# Altium PCB Carte_Alim-4L - CopieBK2023-02-12.PcbDoc (part 1 of 3)
Units mm, origin at the board's own origin, x right, y up, seen from the top; angles counter-clockwise.
Board outline 100 x 100 mm, 4 copper layers (Top Copper, Ground Plane, Power Plane, Bottom Copper), stack 1.57 mm thick; 239 components, 108 nets, 703 pads, 328 vias.
Unrouted connection lines stored in the file: 5.
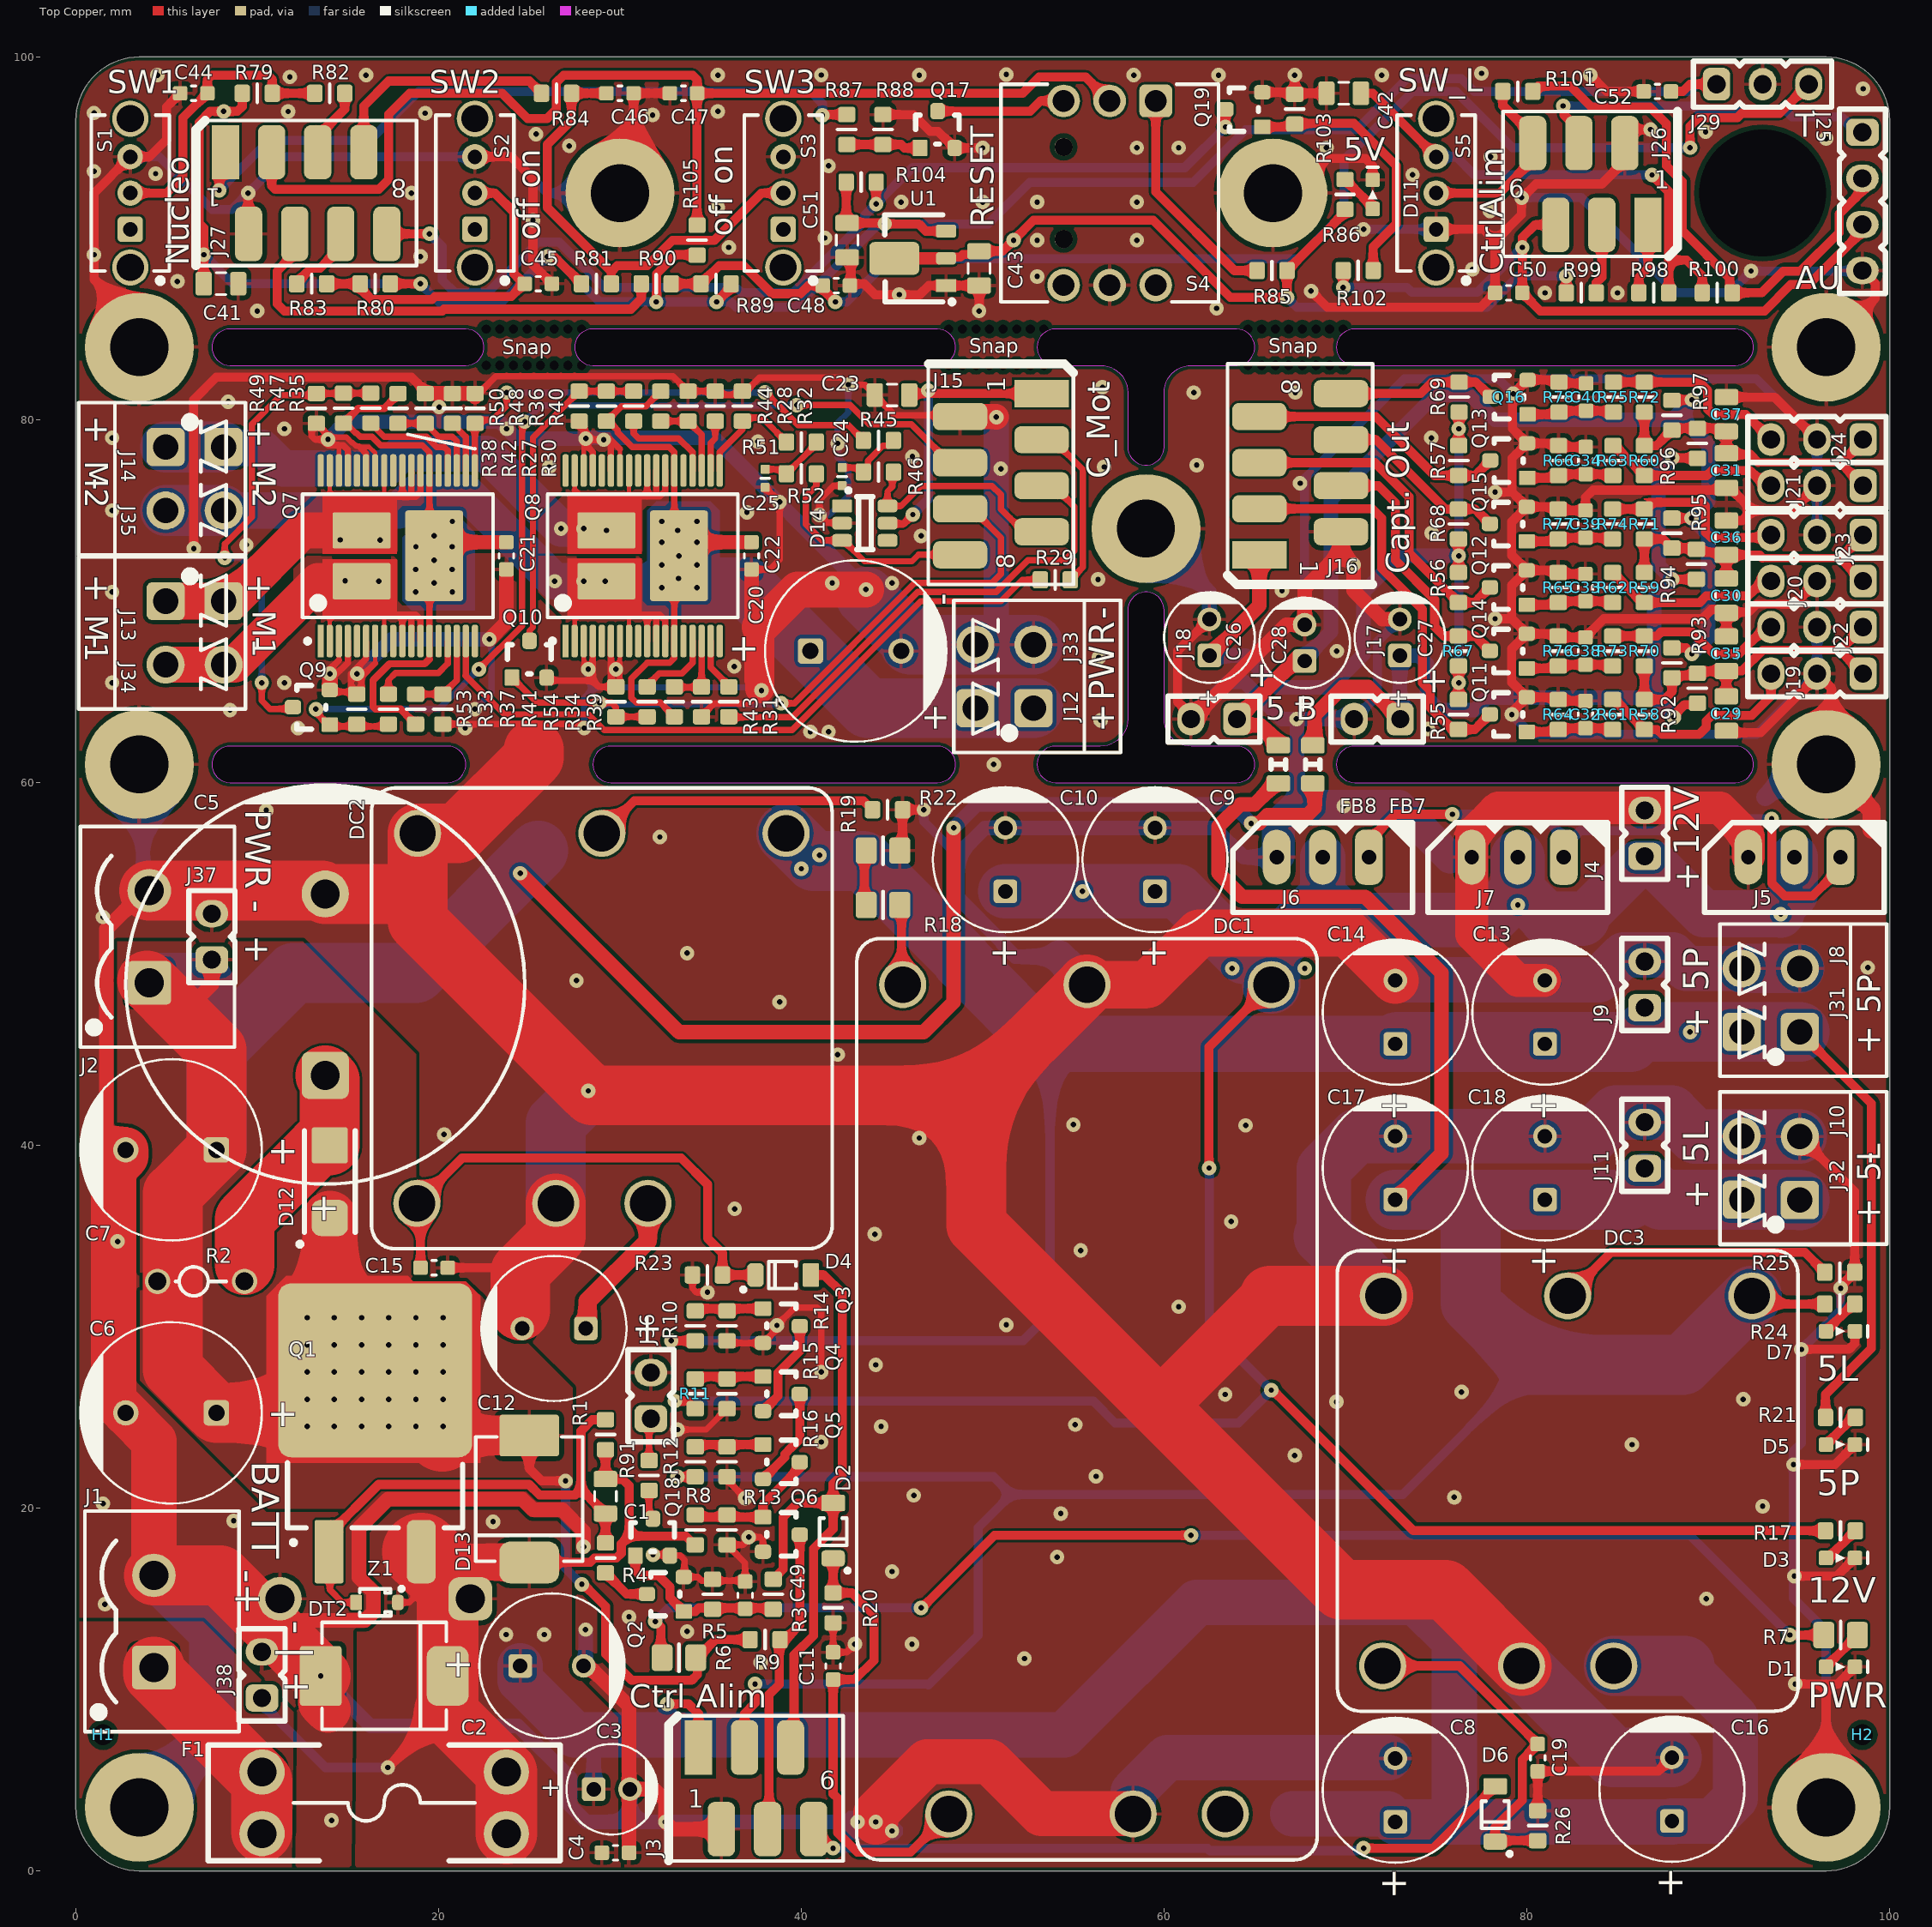
[diagram p0: Top Copper view]
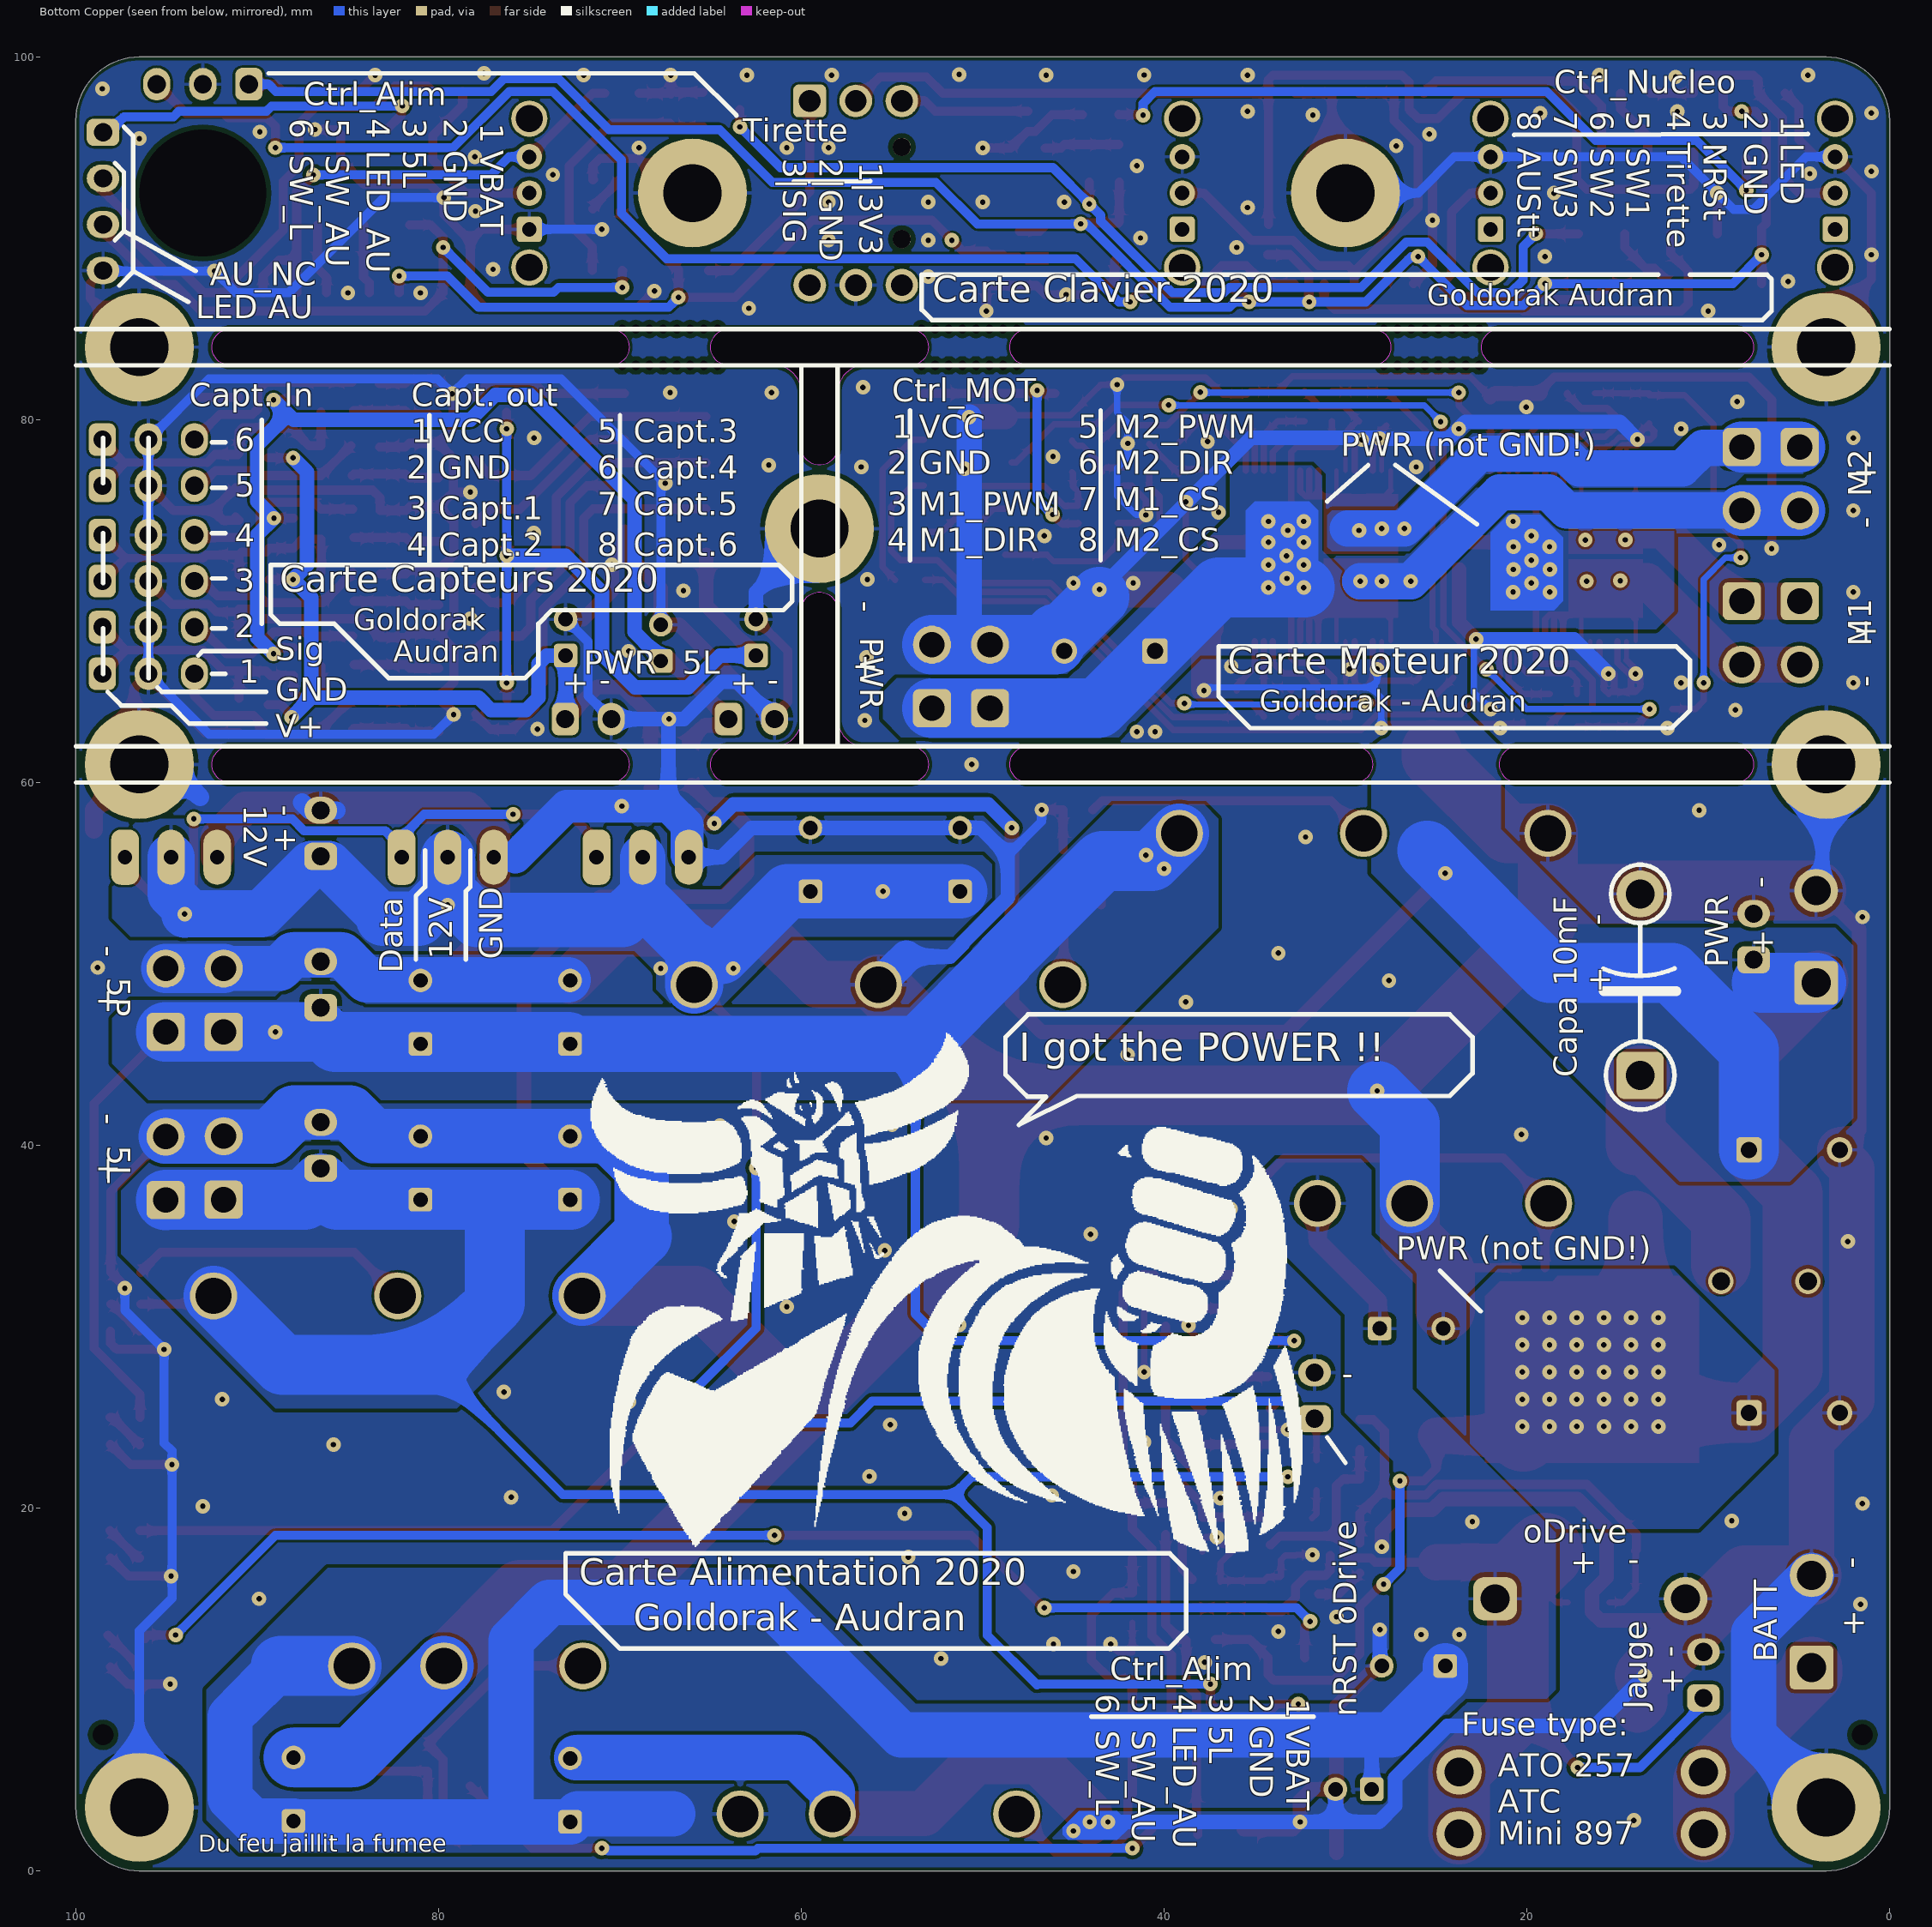
[diagram p1: Bottom Copper view, seen from below]
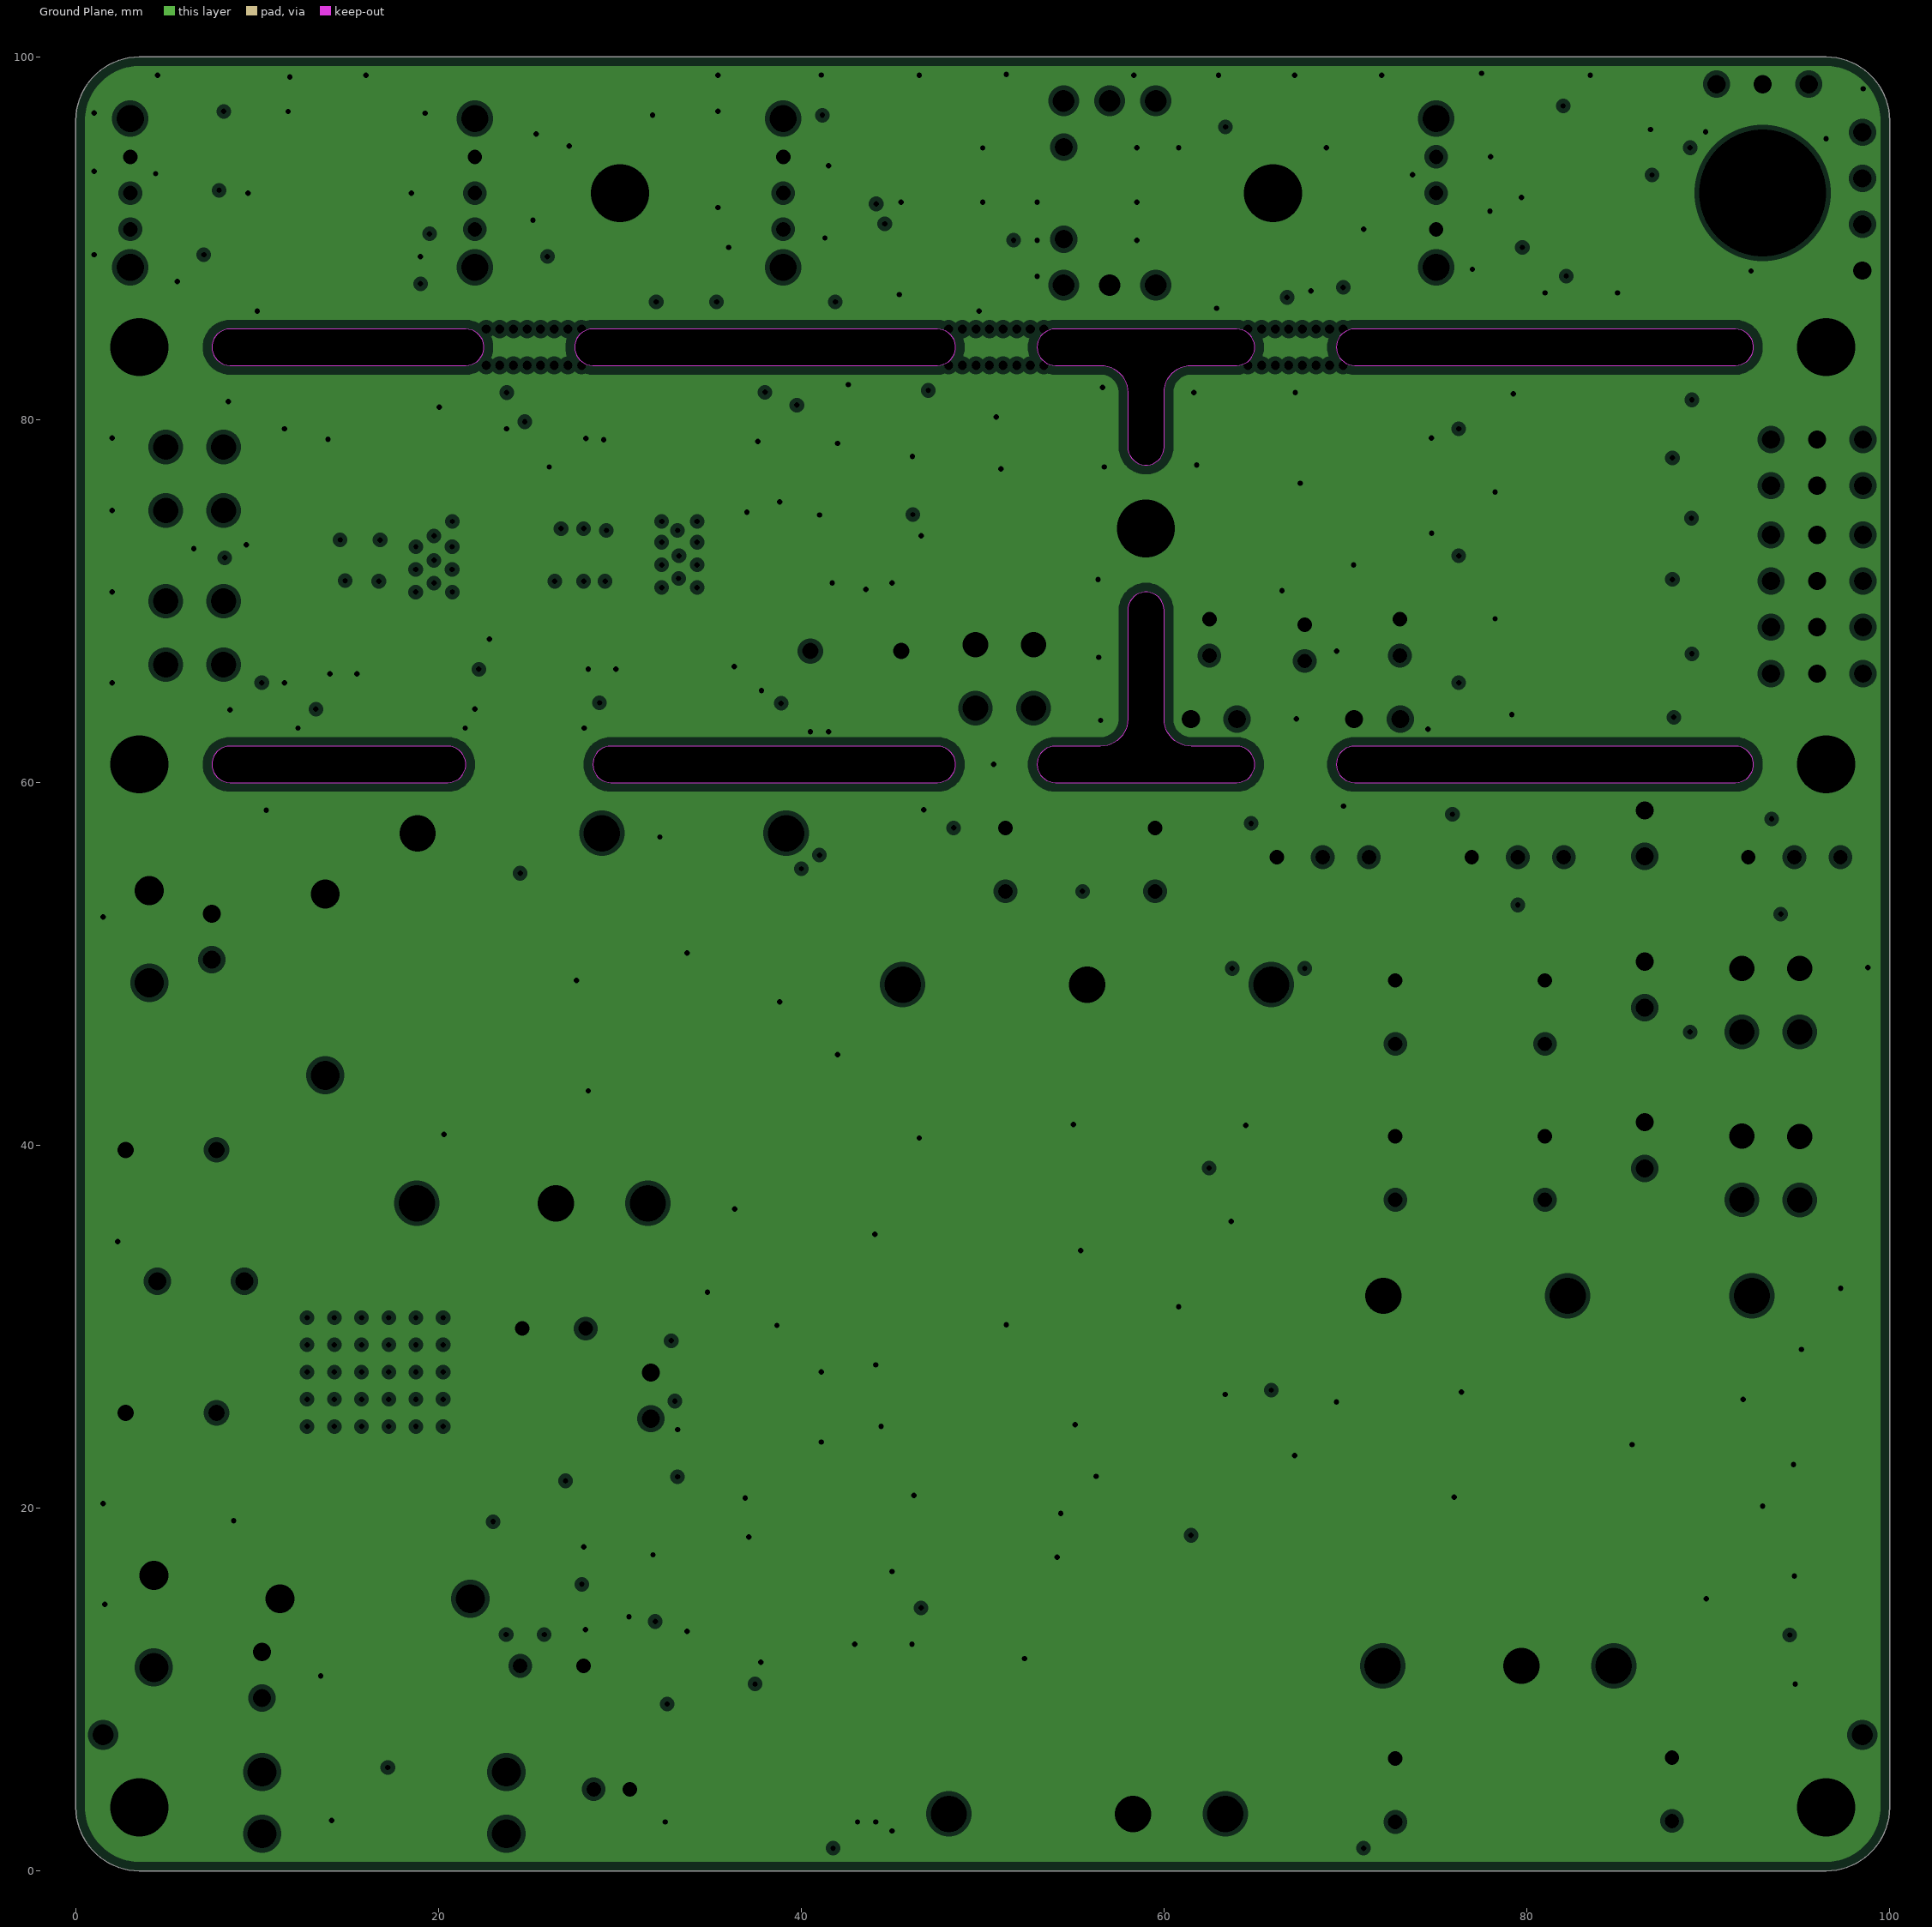
[diagram p2: Ground Plane, clearances drawn from the general rule]
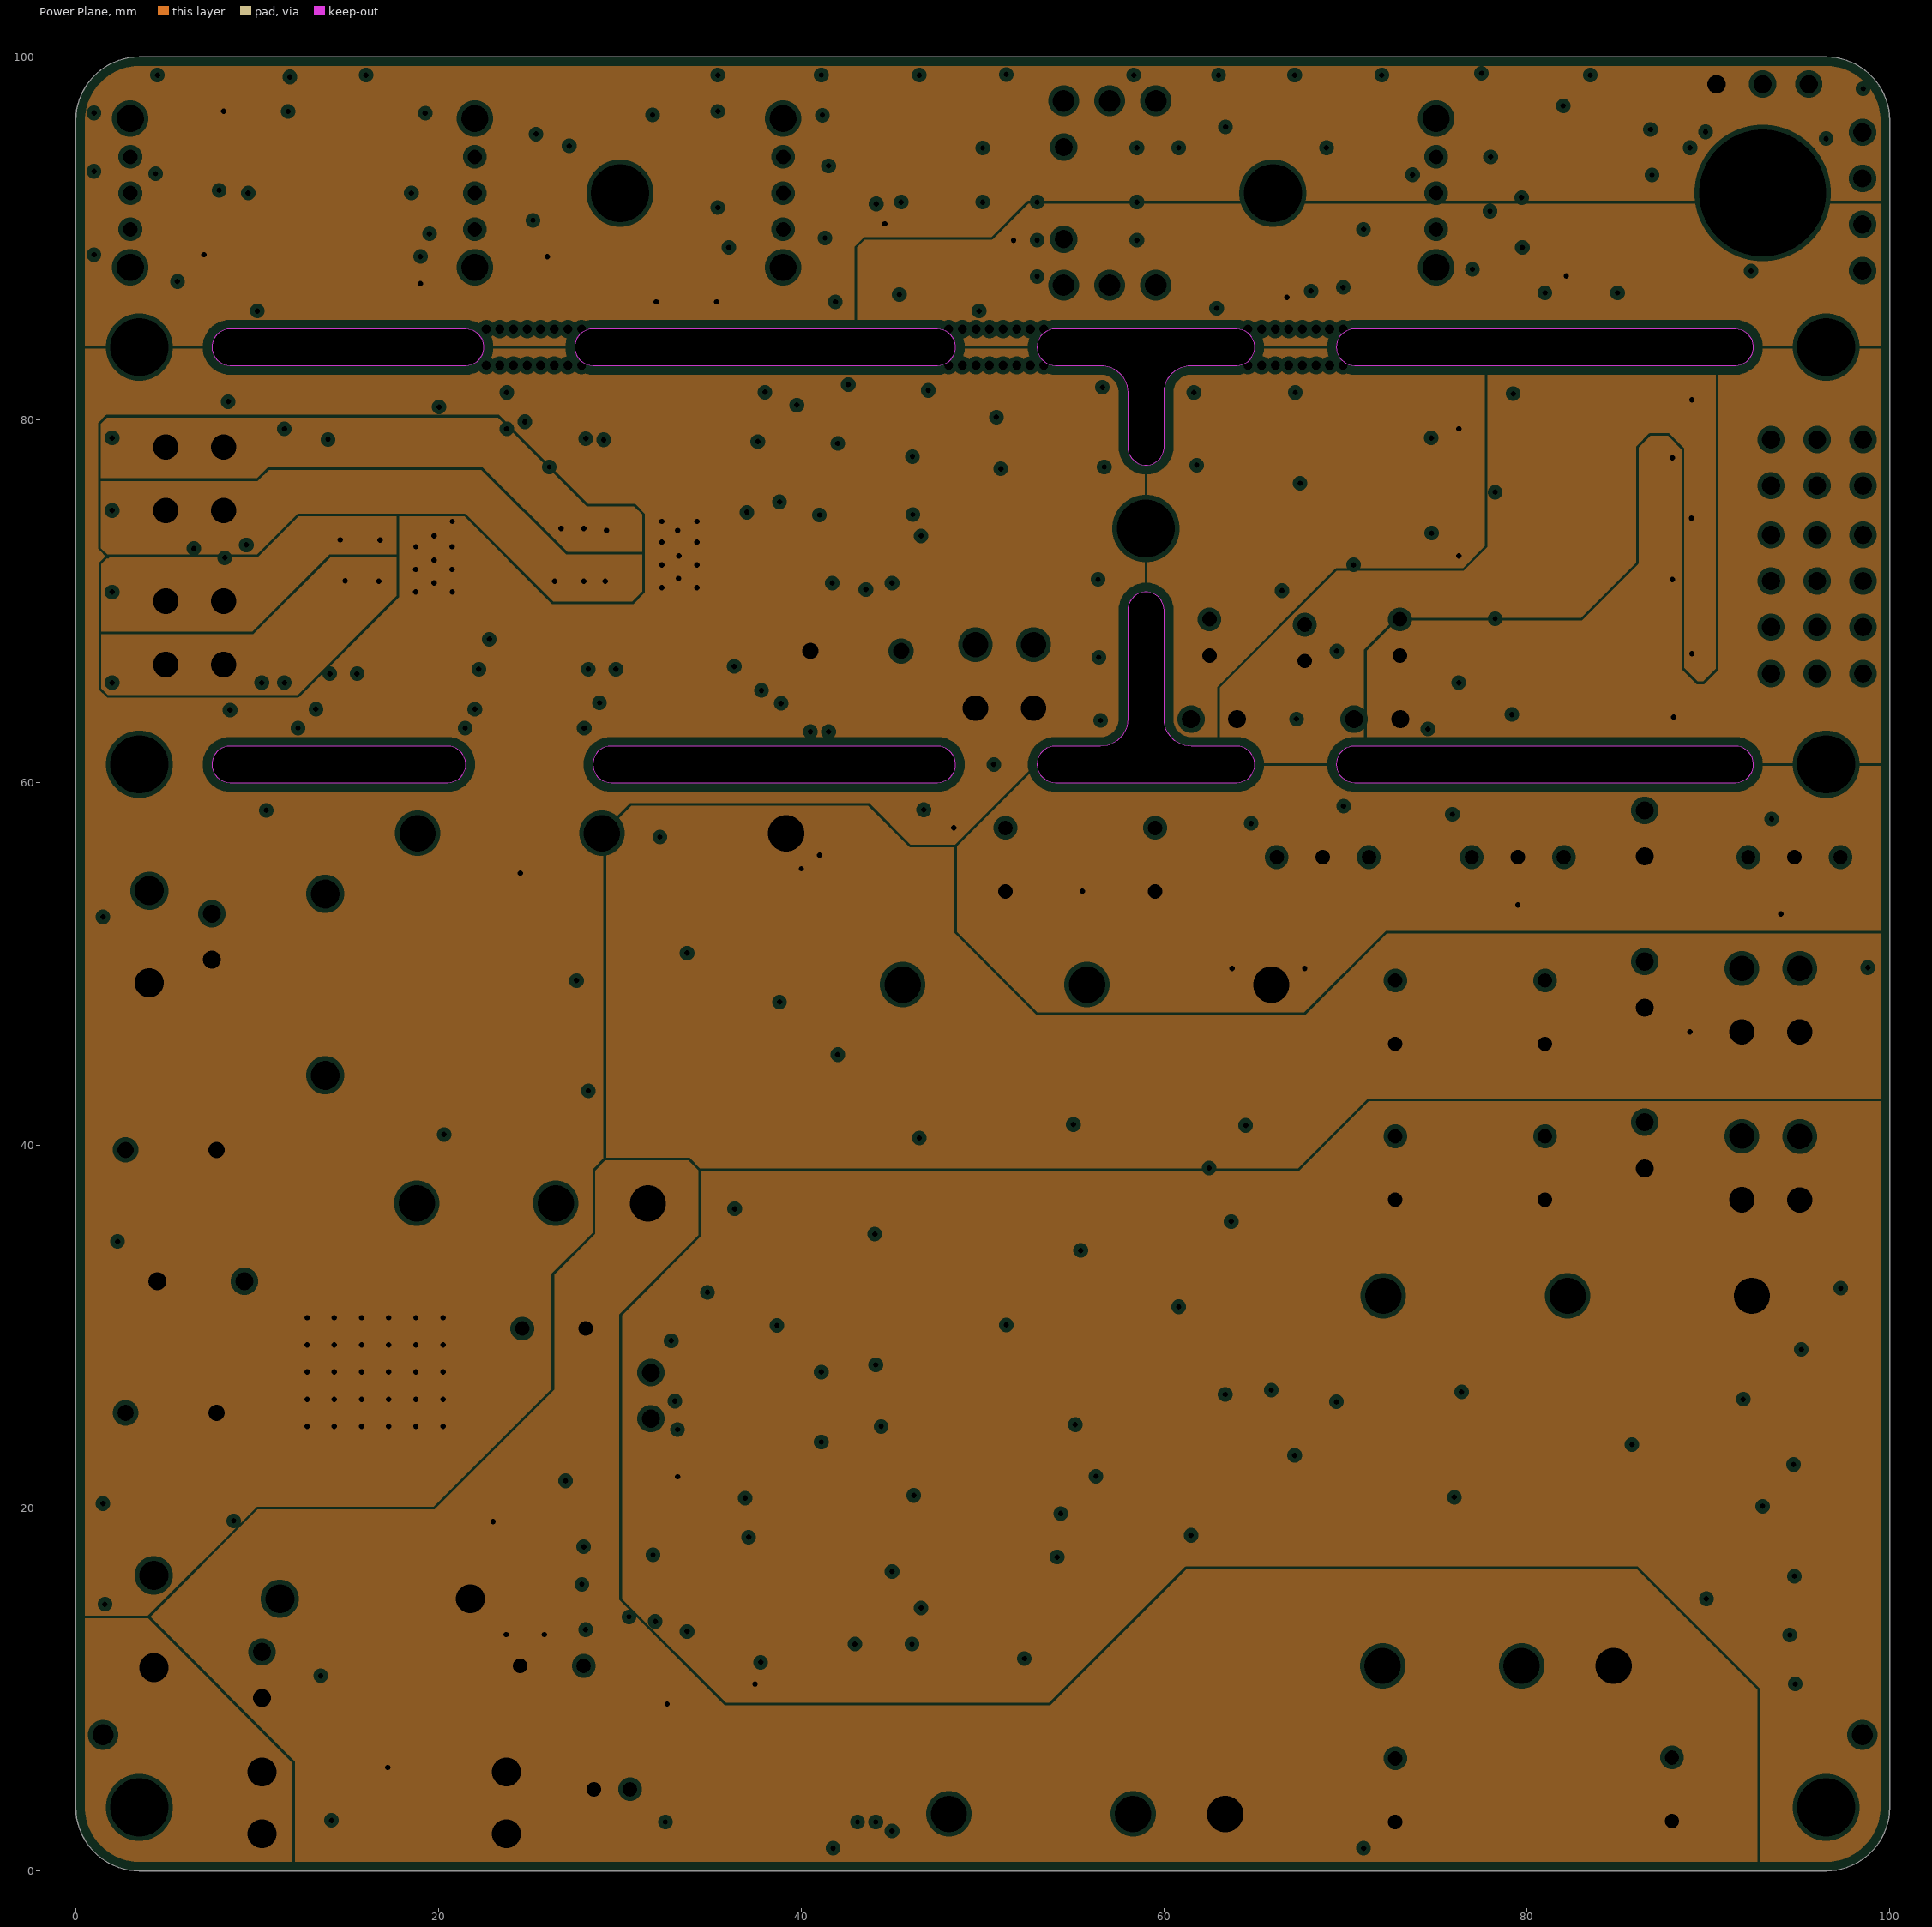
[diagram p3: Power Plane, clearances drawn from the general rule]
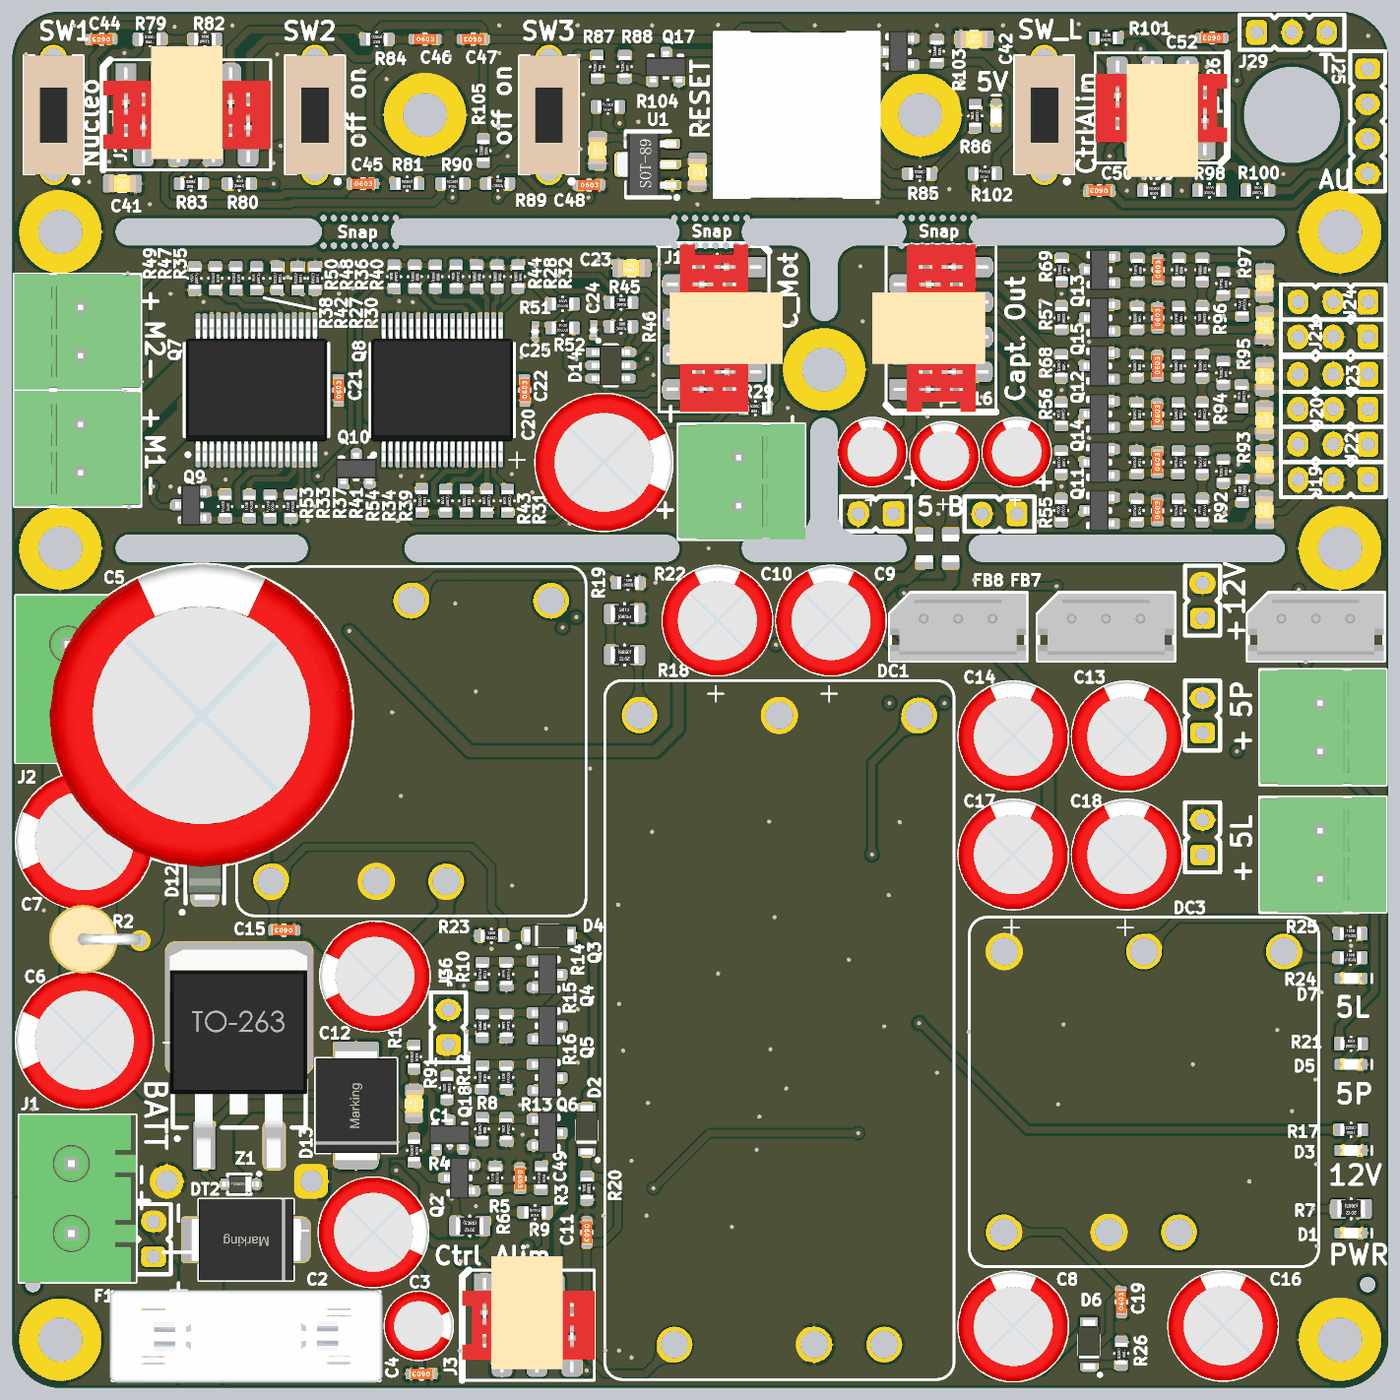
[diagram p6: 3D render of the assembled board from above, using the file's embedded part models]

## Layer stack, top to bottom
Top Mask: solder mask 0.015, Solder Resist, Dk 3.8
Top Copper: signal copper 0.035
Dielectric 1: prepreg 0.2, 7628, Dk 4.6
Ground Plane: plane copper 0.0175, net GND
Core: core 1.065, FR-4, Dk 4.5
Power Plane: plane copper 0.0175
Dielectric 2: prepreg 0.2, 7628, Dk 4.6
Bottom Copper: signal copper 0.035
Bottom Mask: solder mask 0.015, Solder Resist, Dk 3.8

## Board outline
100,3.5 100,96.5 ccw(c96.5,96.5) 96.5,100 3.5,100 ccw(c3.5,96.5) 0,96.5 0,3.5 ccw(c3.5,3.5) 3.5,0 96.5,0 ccw(c96.5,3.5)
cut-out: 64,60 ccw(c64,61) 64,62 61.5,62 cw(c61.5,63.5) 60,63.5 60,69.5 ccw(c59,69.5) 58,69.5 58,63.5 cw(c56.5,63.5) 56.5,62 54,62 ccw(c54,61) 53,61 ccw(c54,61) 54,60
cut-out: 47.5,60 ccw(c47.5,61) 47.5,62 29.5,62 ccw(c29.5,61) 28.5,61 ccw(c29.5,61) 29.5,60
cut-out: 91.5,60 ccw(c91.5,61) 91.5,62 70.5,62 ccw(c70.5,61) 69.5,61 ccw(c70.5,61) 70.5,60
cut-out: 60,81.5 cw(c61.5,81.5) 61.5,83 64,83 ccw(c64,84) 64,85 54,85 ccw(c54,84) 53,84 ccw(c54,84) 54,83 56.5,83 cw(c56.5,81.5) 58,81.5 58,78.5 ccw(c59,78.5) 60,78.5
cut-out: 21.5,83 ccw(c21.5,84) 21.5,85 8.5,85 ccw(c8.5,84) 7.5,84 ccw(c8.5,84) 8.5,83
cut-out: 20.5,60 ccw(c20.5,61) 20.5,62 8.5,62 ccw(c8.5,61) 7.5,61 ccw(c8.5,61) 8.5,60
cut-out: 47.5,83 ccw(c47.5,84) 47.5,85 28.5,85 ccw(c28.5,84) 27.5,84 ccw(c28.5,84) 28.5,83
cut-out: 91.5,83 ccw(c91.5,84) 91.5,85 70.5,85 ccw(c70.5,84) 69.5,84 ccw(c70.5,84) 70.5,83
